# Altium PCB PCB-Relay-Board-V1.PcbDoc (part 1 of 2)
Units mm, origin at the board's own origin, x right, y up, seen from the top; angles counter-clockwise.
Board outline 165 x 129 mm, 8 copper layers (Top Layer, Signal 1, Signal2, GND Plane, P5V0R Plane, Layer 2, Signal 2, Bottom Layer), stack 1.526 mm thick; 356 components, 341 nets, 1487 pads, 0 vias.
Unrouted connection lines stored in the file: 991.
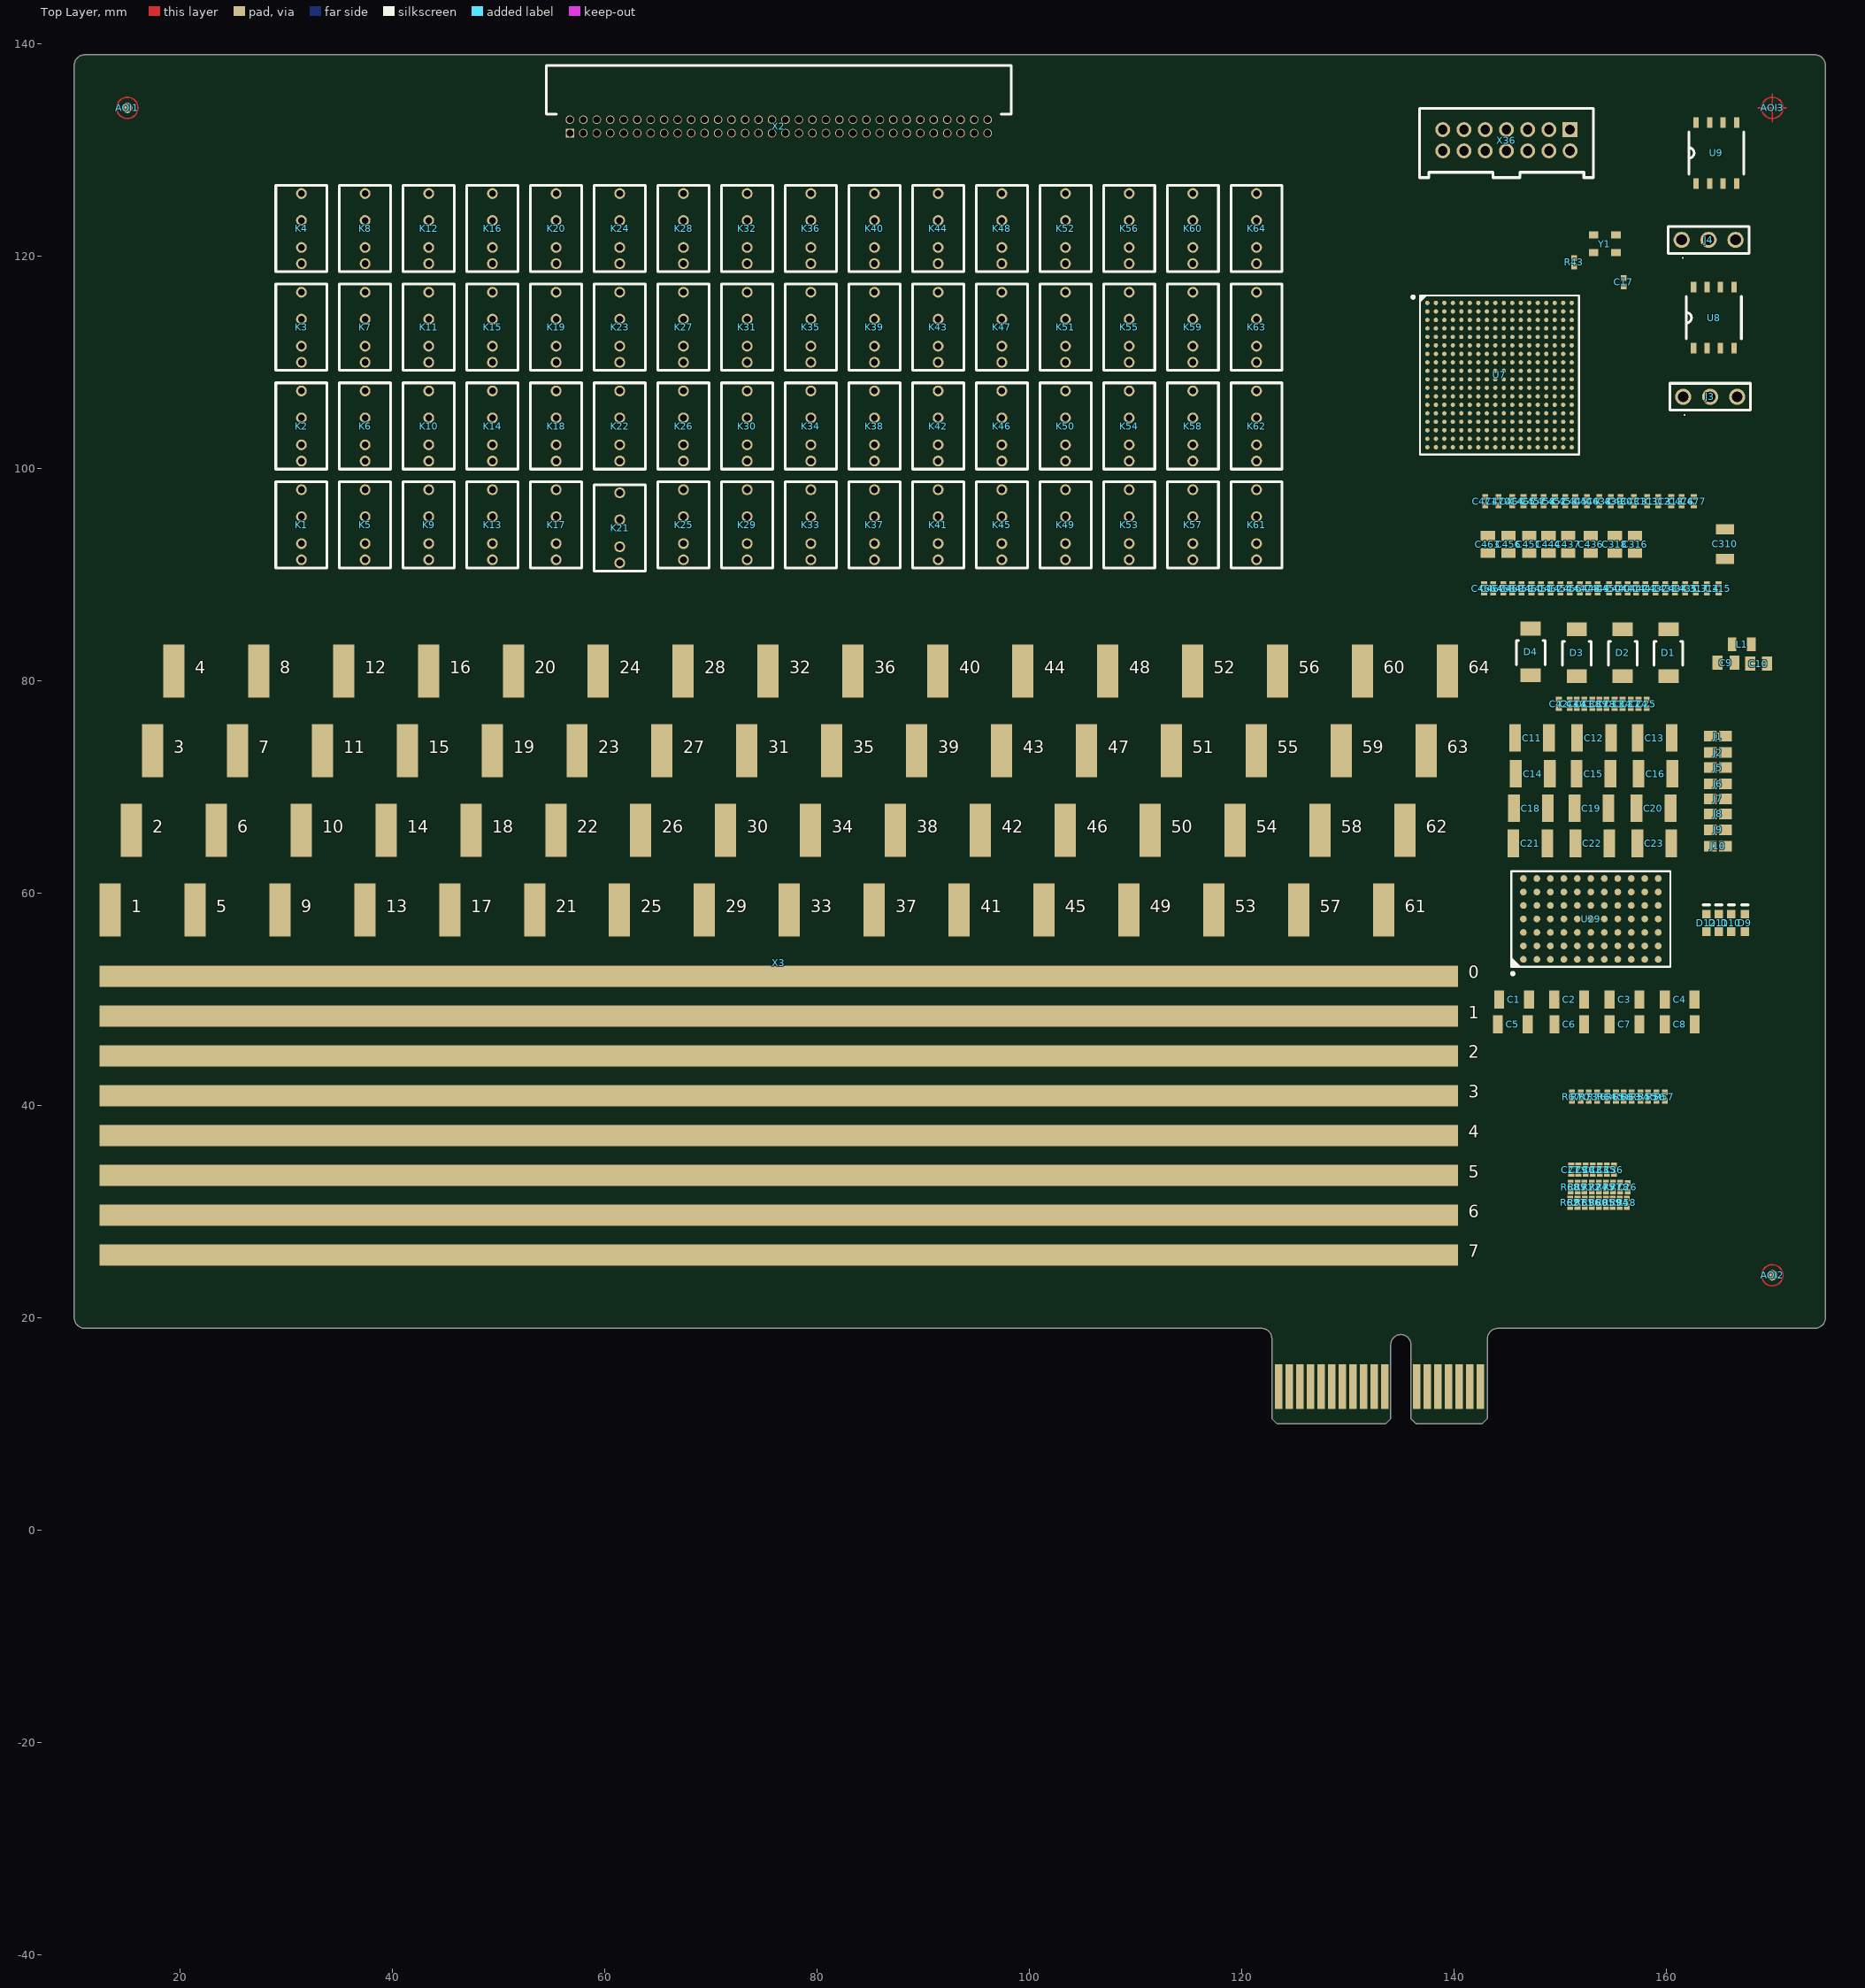
[diagram p0: Top Layer view]
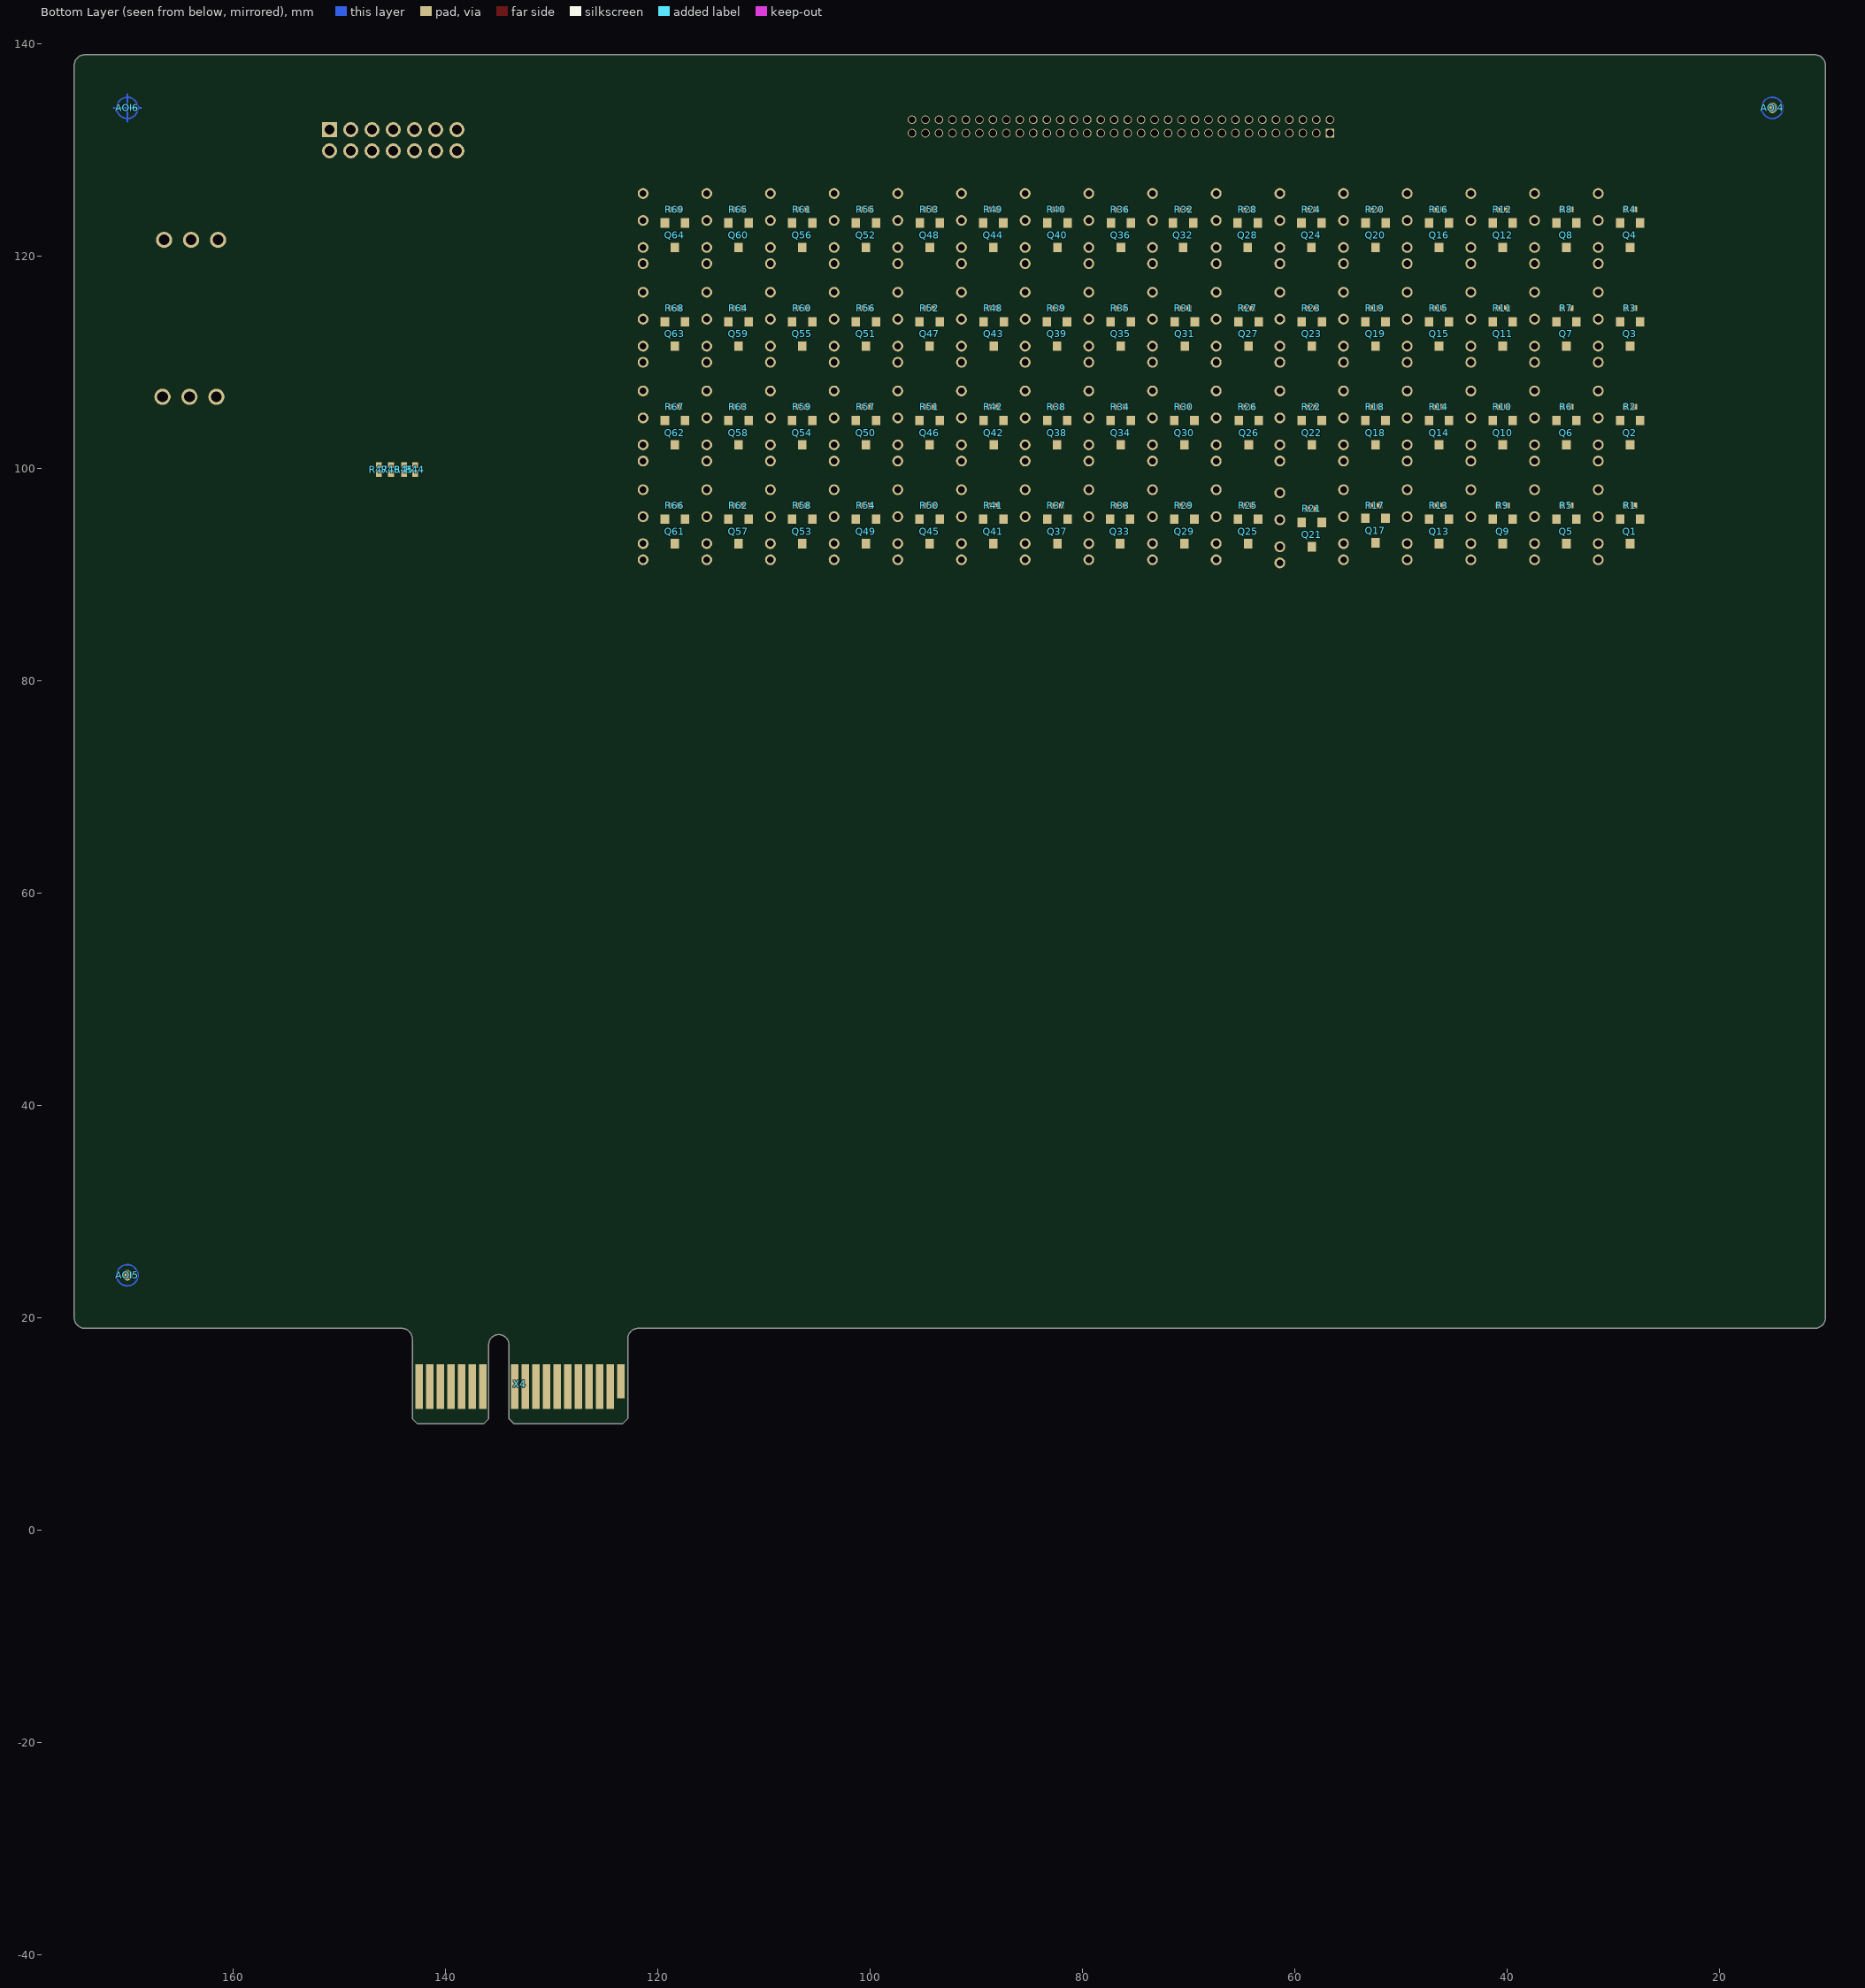
[diagram p1: Bottom Layer view, seen from below]
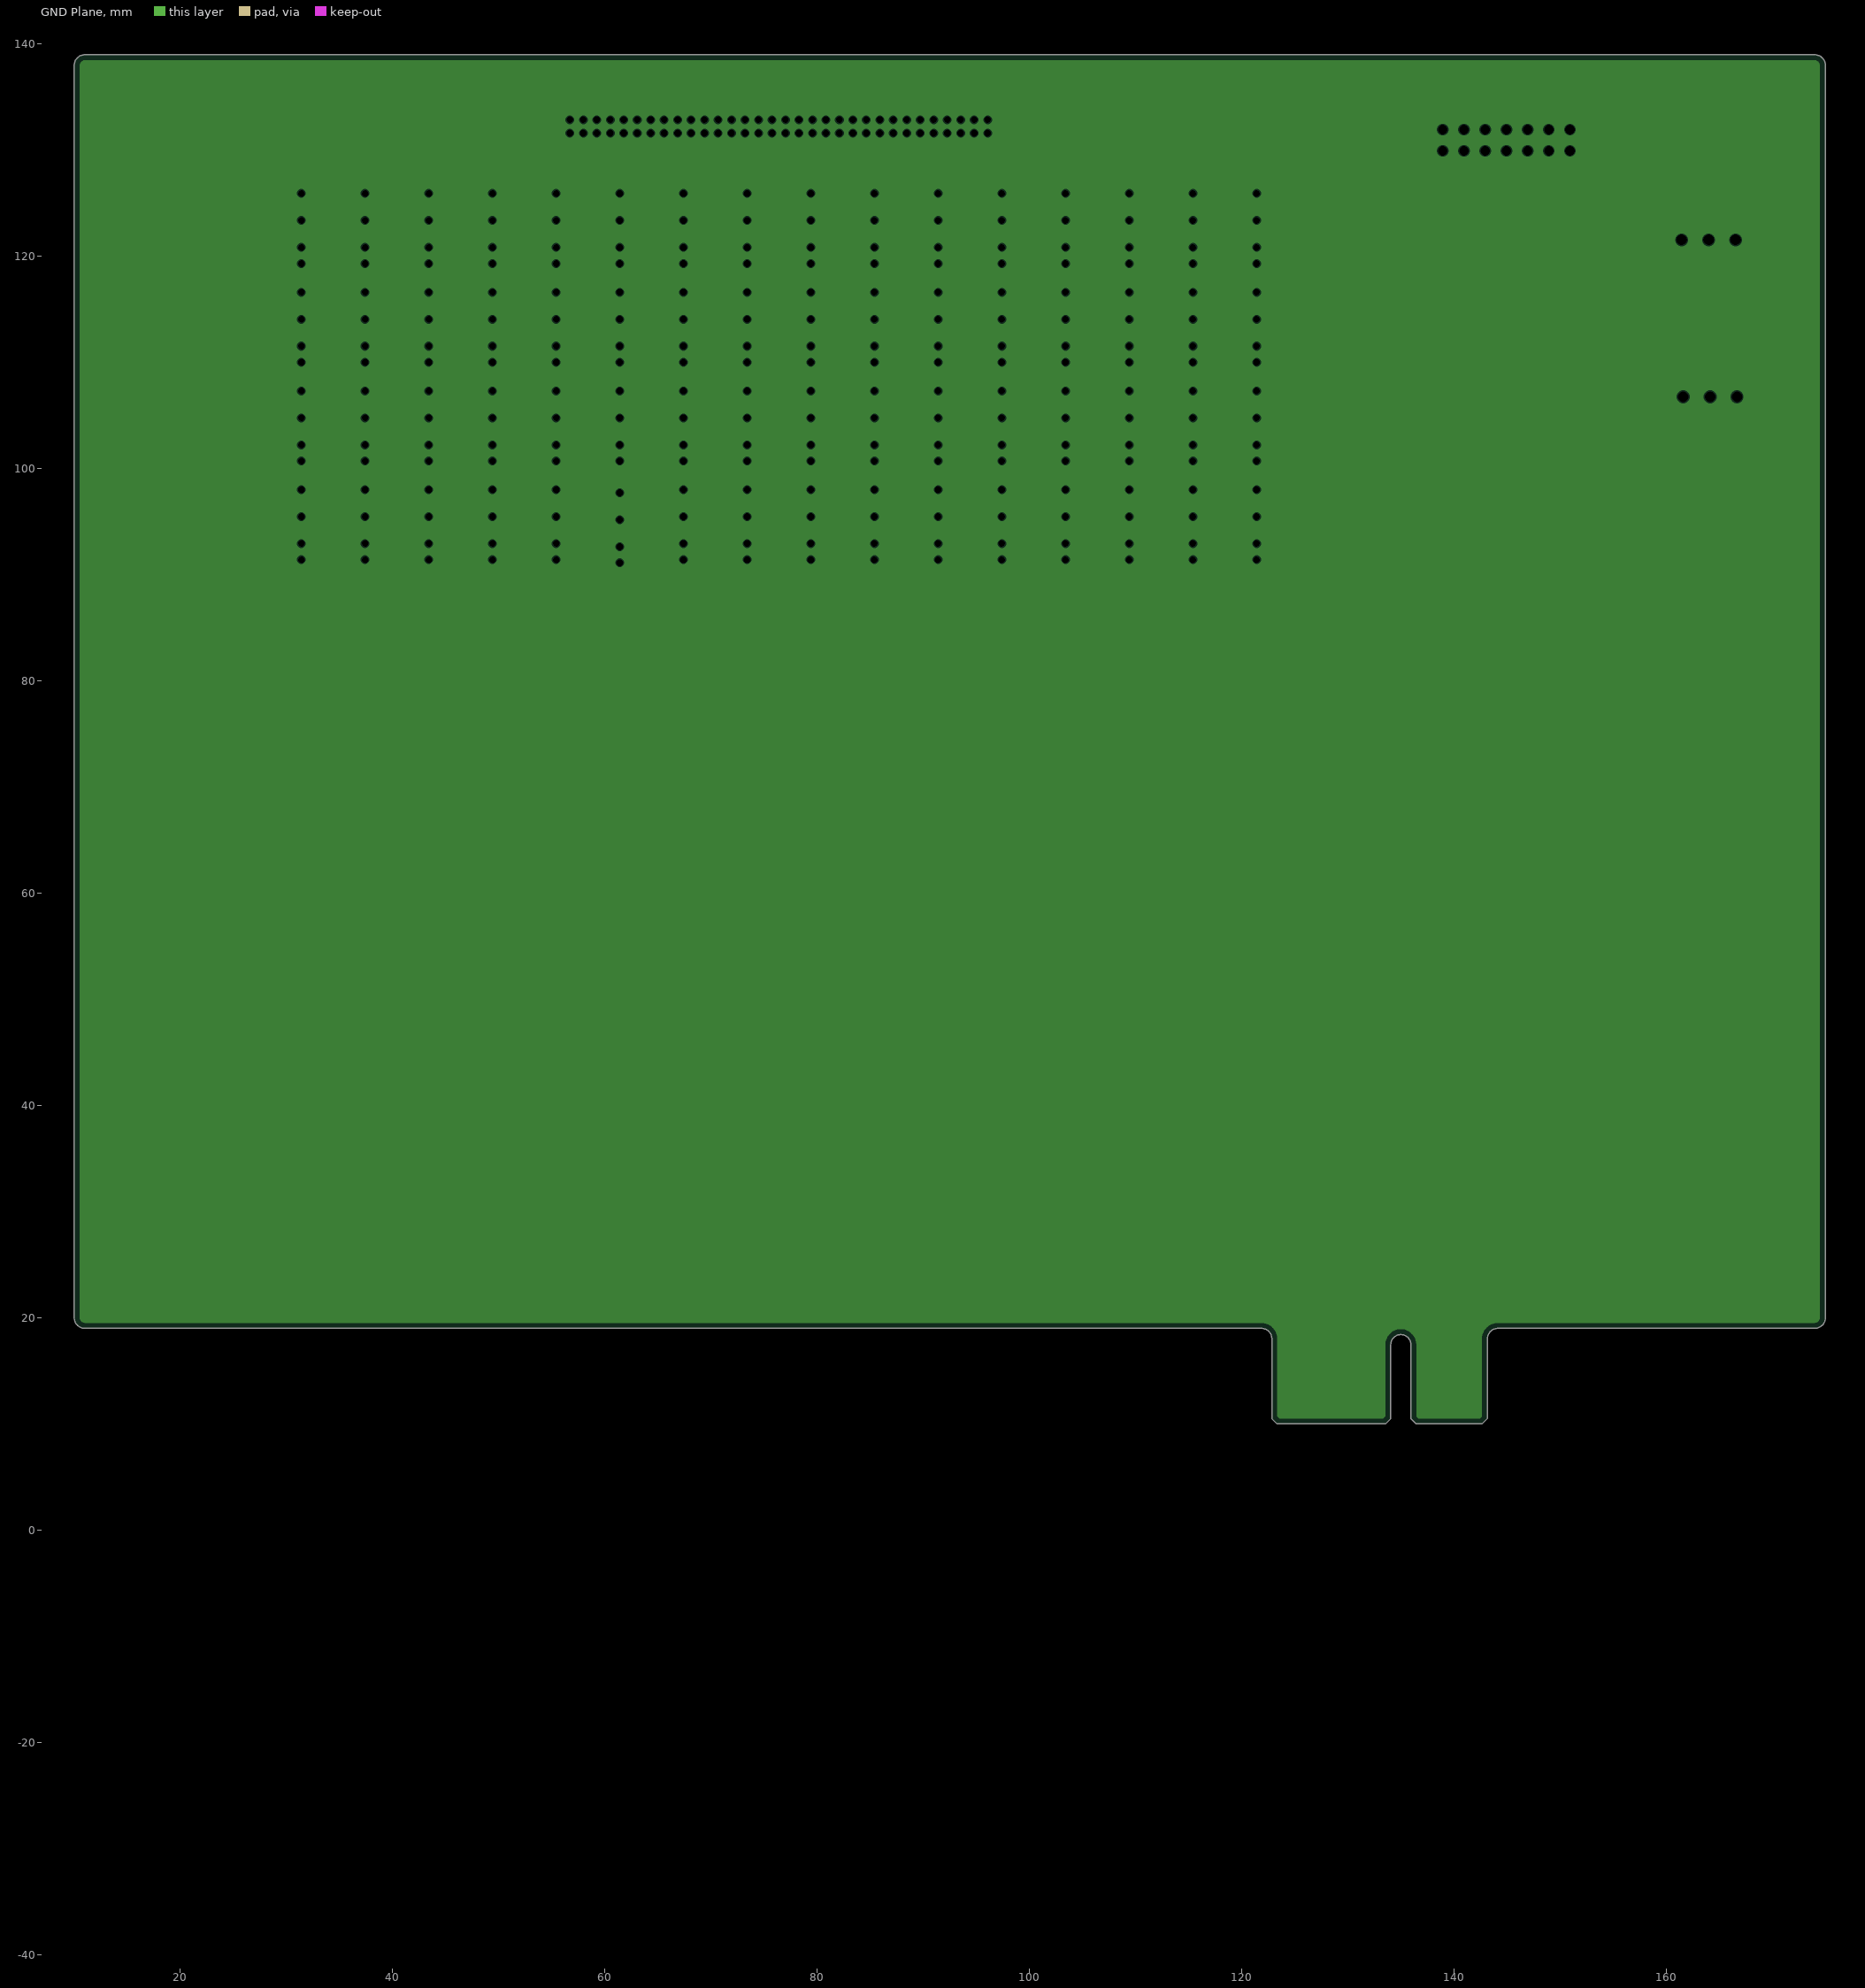
[diagram p2: GND Plane, clearances drawn from the general rule]
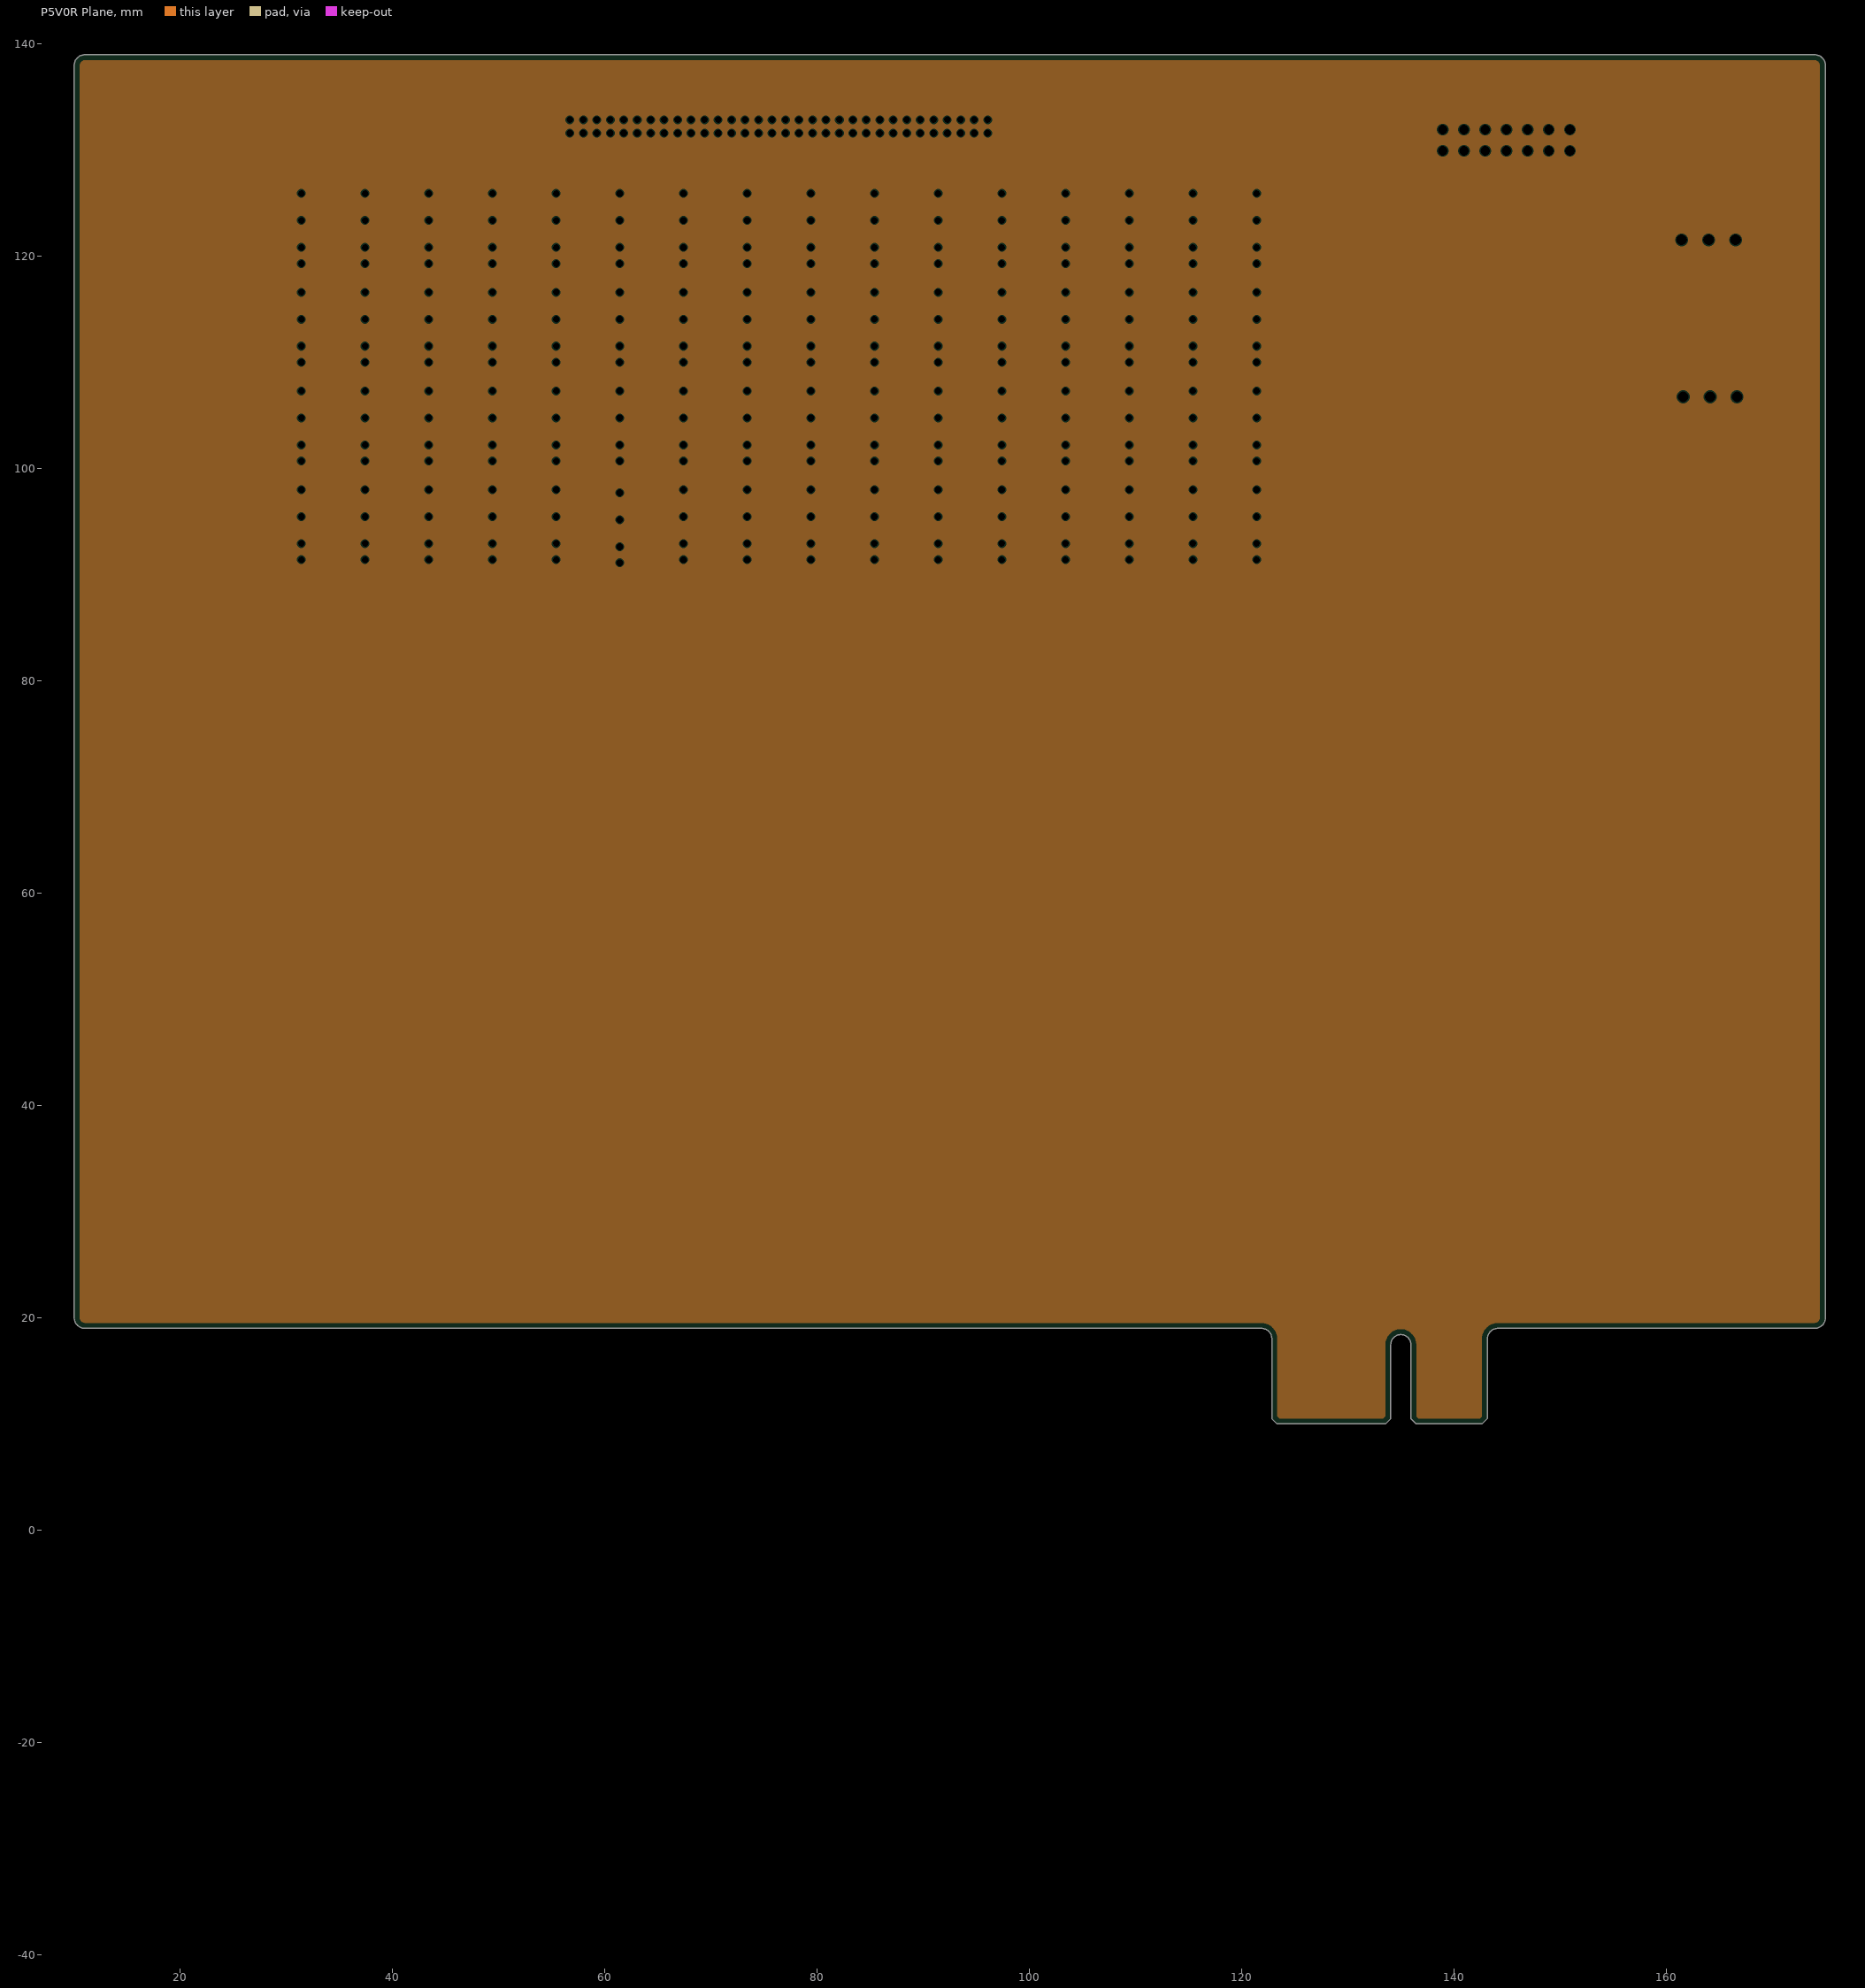
[diagram p3: P5V0R Plane, clearances drawn from the general rule]

## Layer stack, top to bottom
Top Solder: solder mask 0.0102, Solder Resist, Dk 3.5
Top Layer: signal copper 0.0178
Dielectric 1: prepreg 0.1295, PP-017, Dk 4.3
Signal 1: signal copper 0.035
Dielectric 6: core 0.254, Core-028, Dk 4.3
Signal2: signal copper 0.035
Dielectric 2: prepreg 0.1295, PP-017, Dk 4.3
GND Plane: plane copper 0.035
Dielectric 3: core 0.254, Core-028, Dk 4.3
P5V0R Plane: plane copper 0.035
Dielectric 4: prepreg 0.1295, PP-017, Dk 4.3
Layer 2: signal copper 0.035
Dielectric 7: core 0.254, Core-028, Dk 4.3
Signal 2: signal copper 0.035
Dielectric 5: prepreg 0.1295, PP-017, Dk 4.3
Bottom Layer: signal copper 0.0178
Bottom Solder: solder mask 0.0102, Solder Resist, Dk 3.5

## Board outline
122.85,10.5 123.35,10 133.55,10 134.05,10.5 134.05,17.46 cw(c135,17.46) 135.95,17.46 135.95,10.5 136.45,10 142.65,10 143.15,10.5 143.15,18 cw(c144.15,18) 144.15,19 174,19 ccw(c174,20) 175,20 175,138 ccw(c174,138) 174,139 11,139 ccw(c11,138) 10,138 10,20 ccw(c11,20) 11,19 121.85,19 cw(c121.85,18) 122.85,18

## Design rules (kind name [scope] priority, off if disabled: settings)
Clearance [All] p1: gap=0.254 ignorepadtopadclearanceinfootprint=FALSE except(0: Arc-Hole Track-Hole SMDPad-Hole THPad-Hole Via-Hole Fill-Hole Poly-Hole Region-Hole Text-Hole)
PlaneClearance [All] p1: clearance=0.1
PlaneConnect [All] p1: planeconnectstyle=Relief reliefexpansion=0.508 reliefentries=4 reliefconductorwidth=0.254 reliefairgap=0.254
PolygonConnect [All] p1: connectstyle=Relief reliefconductorwidth=0.254 reliefentries=4 polygonreliefangle="90 Angle" airgapwidth=0.254
RoomDefinition PCB-Relay-Board-V1 [InComponentClass('PCB-Relay-Board-V1')] p1: confinementstyle=ConfineIn formatcopy=TRUE lockcomponents=FALSE outline 174,18.604 468,18.604 468,37.208 174,37.208
RoomDefinition X7A15T-Prog [InComponentClass('X7A15T-Prog')] p2: confinementstyle=ConfineIn formatcopy=TRUE lockcomponents=FALSE outline 132,96 174,96 174,138 132,138
RoomDefinition X7A15T-Fabric [InComponentClass('X7A15T-Fabric')] p3: confinementstyle=ConfineIn formatcopy=TRUE lockcomponents=FALSE outline 150,102 174,102 174,126 150,126
RoomDefinition X7A15T-Decoupling [InComponentClass('X7A15T-Decoupling')] p4: confinementstyle=ConfineIn formatcopy=TRUE lockcomponents=FALSE outline 176.022,411.48 555.625,411.48 555.625,416.052 176.022,416.052
RoomDefinition RelayDriver [InComponentClass('RelayDriver')] p5: confinementstyle=ConfineIn formatcopy=TRUE lockcomponents=FALSE outline 161.585,79.507 169.926,79.507 169.926,86.373 161.585,86.373
RoomDefinition Power [InComponentClass('Power')] p6: confinementstyle=ConfineIn formatcopy=TRUE lockcomponents=FALSE outline 138,24 174,24 174,84 138,84
RoutingVias [All] p1: holewidth=0.711 width=1.27 viastyle="Through Hole" minholewidth=0.711 minwidth=1.27 maxholewidth=0.711 maxwidth=1.27
SolderMaskExpansion [All] p1: expansion=0.102
Width [All] p1: maxlimit=0.254 minlimit=0.254 preferedwidth=0.254
28 further rules are at their usual default settings.
